# KiCad board V1.1.kicad_pcb (continued)
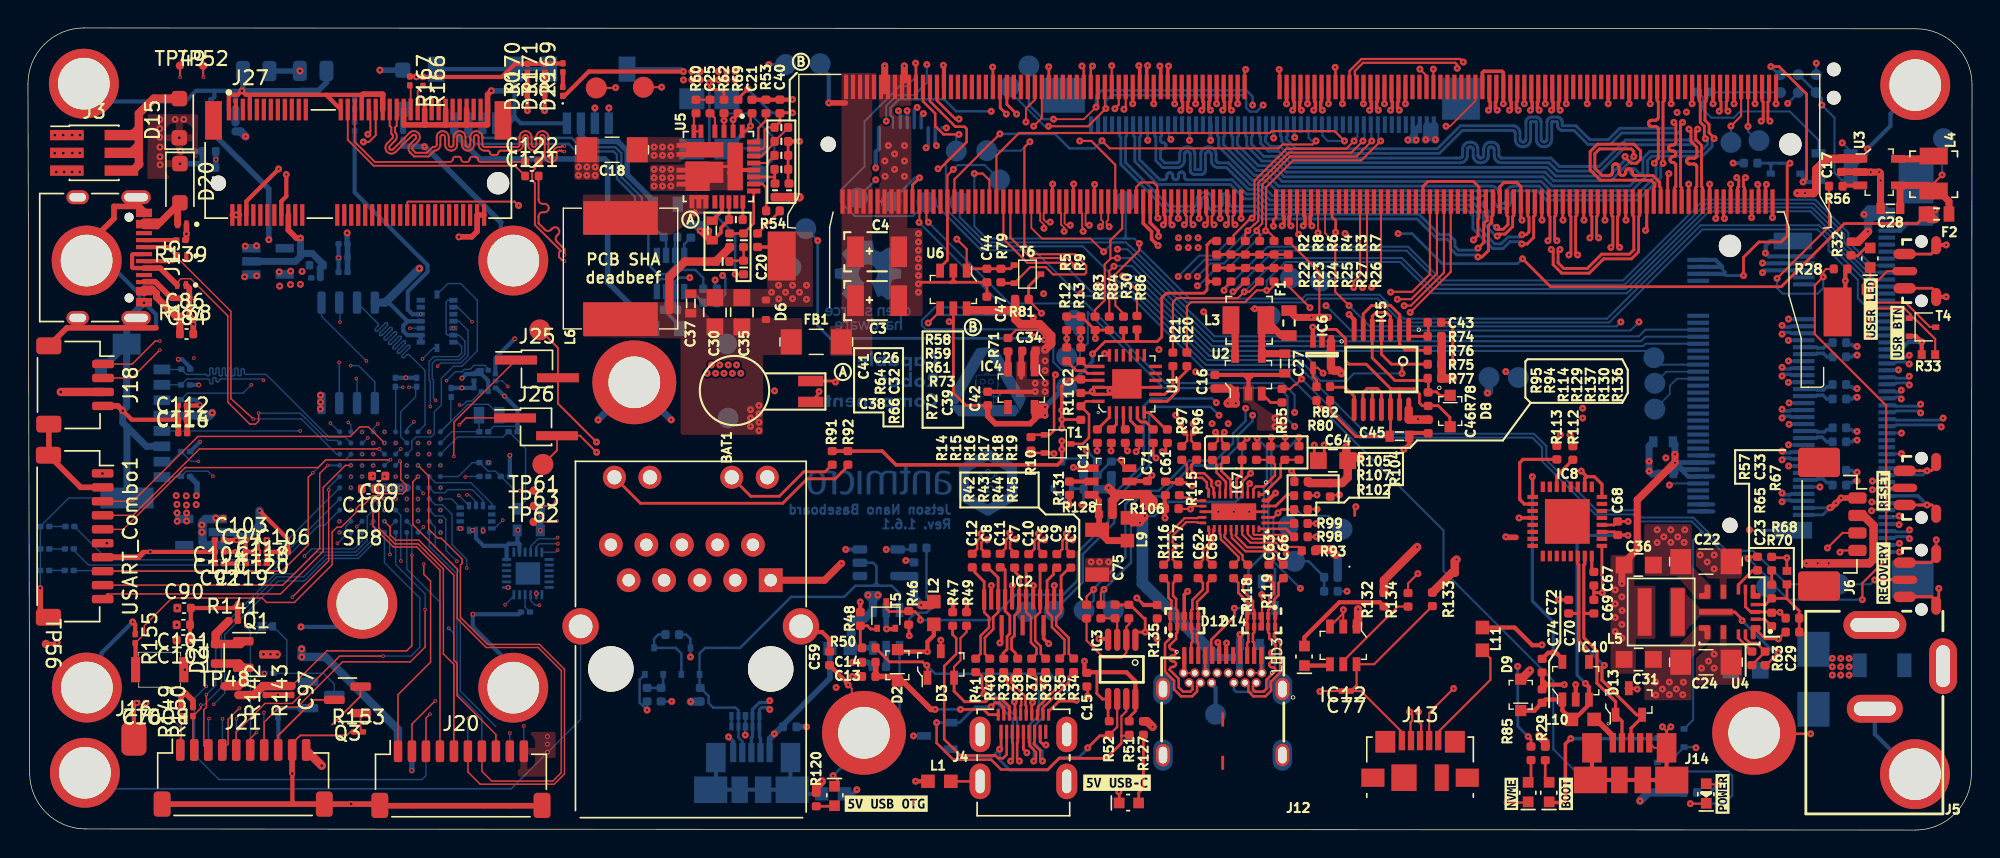
[diagram p0: board, top side]
## Routing (per net, layer and track width the routed paths; a pad name or vN(x,y) marks a point on that pad's centre or on a via; arc(x,y) is an arc through that point) (continued)
ENET_LED1: length 43.2
  Top w0.2: v1(76.27,46.21) 76.25,46.19 M1.188
  In5_3V3_SYS_SIGNAL.Cu w0.2: v1(76.27,46.21) 74.7,44.64 63.72,44.64 63.07,43.99 63.07,27.19 61.13,25.25 J10.11
ENET_TRD0_N: length 53.4
  Top w0.125: M1.184 77.25,43.67 77.12,43.55 77.12,43.37 v1(77.31,43.18)
  In5_3V3_SYS_SIGNAL.Cu w0.125: v1(77.31,43.18) 77.07,42.94 77.07,42.44 75.8,41.16 69.42,41.16 68.99,40.74 68.99,34.16 69,34.13 69.01,34.09 69.03,34.06 69.06,34.03 69.09,34.01 69.13,33.99 69.17,33.99 69.32,33.99 69.41,33.98 69.5,33.95 69.57,33.9 69.64,33.84 69.69,33.76 69.72,33.68 69.73,33.59 69.73,33.54 69.72,33.45 69.69,33.37 69.64,33.29 69.57,33.23 69.5,33.18 69.41,33.15 69.32,33.14 68.44,33.14 68.4,33.14 68.36,33.12 68.33,33.1 68.3,33.07 68.28,33.04 68.27,33 68.26,32.96 68.27,32.93 68.28,32.89 68.3,32.86 68.33,32.83 68.36,32.81 68.4,32.79 68.44,32.79 69.32,32.79 69.41,32.78 69.5,32.75 69.57,32.7 69.64,32.64 69.69,32.56 69.72,32.48 69.73,32.39 69.73,32.34 69.72,32.25 69.69,32.17 69.64,32.09 69.57,32.03 69.5,31.98 69.41,31.95 69.32,31.94 68.44,31.94 68.4,31.94 68.36,31.92 68.33,31.9 68.3,31.87 68.28,31.84 68.27,31.8 68.26,31.76 68.27,31.73 68.28,31.69 68.3,31.66 68.33,31.63 68.36,31.61 68.4,31.59 68.44,31.59 69.32,31.59 69.41,31.58 69.5,31.55 69.57,31.5 69.64,31.44 69.69,31.36 69.72,31.28 69.73,31.19 69.73,31.14 69.72,31.05 69.69,30.97 69.64,30.89 69.57,30.83 69.5,30.78 69.41,30.75 69.32,30.74 69.17,30.74 69.13,30.74 69.09,30.72 69.06,30.7 69.03,30.67 69.01,30.64 69,30.6 68.99,30.56 68.99,26.84 68.49,26.34 63.25,21.09 54.07,21.09 50.86,17.88 J10.3
ENET_TRD0_P: length 53.4
  Top w0.125: M1.186 76.75,43.67 76.87,43.55 76.87,43.37 v1(76.68,43.18)
  In5_3V3_SYS_SIGNAL.Cu w0.125: v1(76.68,43.18) 76.82,43.05 76.82,42.54 75.7,41.42 69.32,41.42 68.74,40.84 68.74,34.14 68.76,34.05 68.78,33.97 68.83,33.89 68.9,33.83 68.97,33.78 69.06,33.75 69.15,33.74 69.3,33.74 69.34,33.74 69.38,33.72 69.41,33.7 69.44,33.67 69.46,33.64 69.47,33.6 69.48,33.56 69.47,33.53 69.46,33.49 69.44,33.46 69.41,33.43 69.38,33.41 69.34,33.39 69.3,33.39 68.42,33.39 68.33,33.38 68.24,33.35 68.17,33.3 68.1,33.24 68.05,33.16 68.02,33.08 68.01,32.99 68.01,32.94 68.02,32.85 68.05,32.77 68.1,32.69 68.17,32.63 68.24,32.58 68.33,32.55 68.42,32.54 69.3,32.54 69.34,32.54 69.38,32.52 69.41,32.5 69.44,32.47 69.46,32.44 69.47,32.4 69.48,32.36 69.47,32.33 69.46,32.29 69.44,32.26 69.41,32.23 69.38,32.21 69.34,32.19 69.3,32.19 68.42,32.19 68.33,32.18 68.24,32.15 68.17,32.1 68.1,32.04 68.05,31.96 68.02,31.88 68.01,31.79 68.01,31.74 68.02,31.65 68.05,31.57 68.1,31.49 68.17,31.43 68.24,31.38 68.33,31.35 68.42,31.34 69.3,31.34 69.34,31.34 69.38,31.32 69.41,31.3 69.44,31.27 69.46,31.24 69.47,31.2 69.48,31.16 69.47,31.13 69.46,31.09 69.44,31.06 69.41,31.03 69.38,31.01 69.34,30.99 69.3,30.99 69.15,30.99 69.06,30.98 68.97,30.95 68.9,30.9 68.83,30.84 68.78,30.76 68.76,30.68 68.74,30.59 68.74,26.94 68.24,26.44 64.64,22.84 64.62,22.82 64.6,22.81 64.57,22.8 64.54,22.8 64.51,22.81 64.49,22.82 64.47,22.84 64.25,23.05 64.23,23.07 64.2,23.08 64.18,23.09 64.15,23.09 64.12,23.08 64.1,23.07 64.07,23.05 64.06,23.03 64.04,23.01 64.04,22.98 64.04,22.95 64.04,22.92 64.06,22.9 64.07,22.88 64.29,22.66 64.31,22.64 64.32,22.62 64.32,22.59 64.32,22.56 64.32,22.53 64.31,22.51 64.29,22.49 64.27,22.47 64.24,22.46 64.21,22.45 64.19,22.45 64.16,22.46 64.13,22.47 64.11,22.49 63.9,22.7 63.88,22.72 63.85,22.73 63.82,22.74 63.79,22.74 63.77,22.73 63.74,22.72 63.72,22.7 63.7,22.68 63.69,22.65 63.68,22.63 63.68,22.6 63.69,22.57 63.7,22.55 63.72,22.52 63.94,22.31 63.95,22.29 63.96,22.26 63.97,22.23 63.97,22.21 63.96,22.18 63.95,22.15 63.94,22.13 63.91,22.11 63.89,22.1 63.86,22.1 63.83,22.1 63.81,22.1 63.78,22.11 63.76,22.13 63.54,22.35 63.52,22.36 63.5,22.38 63.47,22.38 63.44,22.38 63.41,22.38 63.39,22.36 63.37,22.35 63.35,22.33 63.34,22.3 63.33,22.27 63.33,22.24 63.34,22.22 63.35,22.19 63.37,22.17 63.58,21.96 63.6,21.93 63.61,21.91 63.62,21.88 63.62,21.85 63.61,21.83 63.6,21.8 63.58,21.78 63.14,21.34 52.76,21.34 J10.2
ENET_TRD1_N: length 53.4
  Top w0.125: 75.63,43.29 v1(75.89,43.29) ; 75.62,43.3 75.62,44.13 75.75,44.26 M1.190
  In5_3V3_SYS_SIGNAL.Cu w0.125: v1(75.89,43.29) 75.54,43.29 75.53,43.29 75.24,43.29 75.01,43.06 75.01,42.77 74.31,42.06 68.14,42.06 67.39,41.31 67.39,37.69 67.4,37.62 67.43,37.54 67.47,37.48 67.53,37.42 67.59,37.38 67.66,37.36 67.74,37.35 67.89,37.35 67.91,37.35 67.94,37.34 67.96,37.32 67.98,37.3 67.99,37.28 68,37.26 68,37.23 68,37.21 68,37.19 67.99,37.16 67.98,37.14 67.96,37.12 67.94,37.11 67.91,37.1 67.89,37.1 67.74,37.1 67.66,37.09 67.59,37.06 67.53,37.02 67.47,36.97 67.43,36.9 67.4,36.83 67.39,36.75 67.39,36.69 67.4,36.62 67.43,36.54 67.47,36.48 67.53,36.42 67.59,36.38 67.66,36.36 67.74,36.35 67.89,36.35 67.91,36.35 67.94,36.34 67.96,36.32 67.98,36.3 67.99,36.28 68,36.26 68,36.23 68,36.21 68,36.19 67.99,36.16 67.98,36.14 67.96,36.12 67.94,36.11 67.91,36.1 67.89,36.1 67.74,36.1 67.66,36.09 67.59,36.06 67.53,36.02 67.47,35.97 67.43,35.9 67.4,35.83 67.39,35.75 67.39,35.69 67.4,35.62 67.43,35.54 67.47,35.48 67.53,35.42 67.59,35.38 67.66,35.36 67.74,35.35 67.89,35.35 67.91,35.35 67.94,35.34 67.96,35.32 67.98,35.3 67.99,35.28 68,35.26 68,35.23 68,35.21 68,35.19 67.99,35.16 67.98,35.14 67.96,35.12 67.94,35.11 67.91,35.1 67.89,35.1 67.74,35.1 67.66,35.09 67.59,35.06 67.53,35.02 67.47,34.97 67.43,34.9 67.4,34.83 67.39,34.75 67.39,27.39 62.12,22.11 48.39,22.11 48.03,21.75 J10.5
ENET_TRD1_P: length 53.4
  Top w0.125: M1.192 75.25,44.26 75.37,44.13 75.37,43.19 75.45,43.12 v1(75.45,42.85)
  In5_3V3_SYS_SIGNAL.Cu w0.125: v1(75.45,42.85) 74.41,41.81 68.29,41.81 67.64,41.16 67.64,37.71 67.65,37.69 67.66,37.66 67.67,37.64 67.69,37.62 67.71,37.61 67.74,37.6 67.76,37.6 67.91,37.6 67.98,37.59 68.06,37.56 68.12,37.52 68.18,37.47 68.22,37.4 68.24,37.33 68.25,37.25 68.25,37.19 68.24,37.12 68.22,37.04 68.18,36.98 68.12,36.92 68.06,36.88 67.98,36.86 67.91,36.85 67.76,36.85 67.74,36.85 67.71,36.84 67.69,36.82 67.67,36.8 67.66,36.78 67.65,36.76 67.64,36.73 67.64,36.71 67.65,36.69 67.66,36.66 67.67,36.64 67.69,36.62 67.71,36.61 67.74,36.6 67.76,36.6 67.91,36.6 67.98,36.59 68.06,36.56 68.12,36.52 68.18,36.47 68.22,36.4 68.24,36.33 68.25,36.25 68.25,36.19 68.24,36.12 68.22,36.04 68.18,35.98 68.12,35.92 68.06,35.88 67.98,35.86 67.91,35.85 67.76,35.85 67.74,35.85 67.71,35.84 67.69,35.82 67.67,35.8 67.66,35.78 67.65,35.76 67.64,35.73 67.64,35.71 67.65,35.69 67.66,35.66 67.67,35.64 67.69,35.62 67.71,35.61 67.74,35.6 67.76,35.6 67.91,35.6 67.98,35.59 68.06,35.56 68.12,35.52 68.18,35.47 68.22,35.4 68.24,35.33 68.25,35.25 68.25,35.19 68.24,35.12 68.22,35.04 68.18,34.98 68.12,34.92 68.06,34.88 67.98,34.86 67.91,34.85 67.76,34.85 67.74,34.85 67.71,34.84 67.69,34.82 67.67,34.8 67.66,34.78 67.65,34.76 67.64,34.73 67.64,27.29 65.8,25.44 65.78,25.42 65.77,25.39 65.76,25.37 65.76,25.34 65.77,25.31 65.78,25.29 65.82,25.24 65.83,25.22 65.83,25.19 65.83,25.16 65.83,25.13 65.82,25.11 65.8,25.09 65.78,25.07 65.75,25.06 65.72,25.05 65.7,25.05 65.67,25.06 65.64,25.07 65.6,25.1 65.57,25.12 65.55,25.12 65.52,25.12 65.49,25.12 65.47,25.1 65.44,25.09 65.43,25.07 65.41,25.04 65.41,25.01 65.41,24.98 65.41,24.96 65.43,24.93 65.46,24.89 65.47,24.86 65.48,24.84 65.48,24.81 65.47,24.78 65.46,24.76 65.44,24.73 65.42,24.72 65.4,24.7 65.37,24.7 65.34,24.7 65.31,24.7 65.29,24.72 65.25,24.75 65.22,24.76 65.19,24.77 65.16,24.77 65.14,24.76 65.11,24.75 65.09,24.73 65.07,24.71 65.06,24.69 65.05,24.66 65.05,24.63 65.06,24.6 65.07,24.58 65.11,24.54 65.12,24.51 65.13,24.48 65.13,24.45 65.12,24.43 65.11,24.4 65.09,24.38 65.07,24.36 65.04,24.35 65.02,24.34 64.99,24.34 64.96,24.35 64.94,24.36 64.89,24.4 64.87,24.41 64.84,24.42 64.81,24.42 64.78,24.41 64.76,24.4 64.74,24.38 64.72,24.36 64.71,24.33 64.7,24.31 64.7,24.28 64.71,24.25 64.72,24.23 64.75,24.18 64.77,24.16 64.77,24.13 64.77,24.1 64.77,24.07 64.75,24.05 64.74,24.03 64.72,24.01 64.69,24 64.66,23.99 64.63,23.99 64.61,24 64.58,24.01 64.54,24.04 64.51,24.06 64.49,24.06 64.46,24.06 64.43,24.06 64.41,24.04 64.38,24.03 62.22,21.86 51.07,21.86 51.04,21.86 51.02,21.85 50.99,21.84 50.97,21.82 50.96,21.79 50.95,21.77 50.94,21.74 50.94,21.56 50.94,21.54 50.93,21.51 50.92,21.49 50.9,21.47 50.87,21.45 50.85,21.44 50.82,21.44 50.79,21.44 50.77,21.45 50.74,21.47 50.72,21.49 50.71,21.51 50.7,21.54 50.69,21.56 50.69,21.74 50.69,21.77 50.68,21.79 50.67,21.82 50.65,21.84 50.62,21.85 50.6,21.86 50.57,21.86 50.54,21.86 50.52,21.85 50.49,21.84 50.47,21.82 50.46,21.79 50.45,21.77 50.44,21.74 50.44,21.56 50.44,21.54 50.43,21.51 50.42,21.49 50.4,21.47 50.37,21.45 50.35,21.44 50.32,21.44 50.29,21.44 50.27,21.45 50.24,21.47 50.22,21.49 50.21,21.51 50.2,21.54 50.19,21.56 50.19,21.74 50.19,21.77 50.18,21.79 50.17,21.82 50.15,21.84 50.12,21.85 50.1,21.86 50.07,21.86 50.04,21.86 50.02,21.85 49.99,21.84 49.97,21.82 49.96,21.79 49.95,21.77 49.94,21.74 49.94,21.56 49.94,21.54 49.93,21.51 49.92,21.49 49.9,21.47 49.87,21.45 49.85,21.44 49.82,21.44 49.79,21.44 49.77,21.45 49.74,21.47 49.72,21.49 49.71,21.51 49.7,21.54 49.69,21.56 49.69,21.74 49.69,21.77 49.68,21.79 49.67,21.82 49.65,21.84 49.62,21.85 49.6,21.86 49.57,21.86 48.5,21.86 48.28,21.65 48.28,21.44 J10.4
ENET_TRD2_N: length 53.4
  Top w0.125: M1.196 74.25,44.26 74.12,44.13 74.12,43.44 74.27,43.29 v1(74.53,43.29)
  In5_3V3_SYS_SIGNAL.Cu w0.125: J10.8 46.62,22.82 61.12,22.82 62.28,23.98 62.3,24 62.31,24.03 62.32,24.05 62.32,24.08 62.31,24.11 62.3,24.13 62.28,24.16 62.2,24.24 62.18,24.26 62.17,24.28 62.17,24.31 62.17,24.34 62.17,24.37 62.18,24.39 62.2,24.41 62.22,24.43 62.25,24.44 62.28,24.45 62.3,24.45 62.33,24.44 62.36,24.43 62.38,24.41 62.46,24.33 62.48,24.31 62.51,24.3 62.53,24.3 62.56,24.3 62.59,24.3 62.61,24.31 62.64,24.33 62.65,24.35 62.66,24.38 62.67,24.41 62.67,24.43 62.66,24.46 62.65,24.49 62.64,24.51 62.55,24.59 62.54,24.61 62.53,24.64 62.52,24.66 62.52,24.69 62.53,24.72 62.54,24.74 62.55,24.77 62.58,24.78 62.6,24.8 62.63,24.8 62.66,24.8 62.68,24.8 62.71,24.78 62.73,24.77 62.81,24.69 62.83,24.67 62.86,24.66 62.89,24.65 62.91,24.65 62.94,24.66 62.97,24.67 62.99,24.69 63.01,24.71 63.02,24.73 63.02,24.76 63.02,24.79 63.02,24.82 63.01,24.84 62.99,24.86 62.91,24.94 62.89,24.96 62.88,24.99 62.87,25.02 62.87,25.04 62.88,25.07 62.89,25.1 62.91,25.12 62.93,25.14 62.96,25.15 62.98,25.16 63.01,25.16 63.04,25.15 63.06,25.14 63.09,25.12 63.17,25.04 63.19,25.02 63.21,25.01 63.24,25 63.27,25 63.3,25.01 63.32,25.02 63.34,25.04 66.54,28.24 66.54,31.41 66.54,31.45 66.53,31.49 66.51,31.52 66.48,31.55 66.45,31.57 66.41,31.59 66.37,31.59 66.2,31.59 66.11,31.6 66.02,31.63 65.95,31.68 65.88,31.74 65.83,31.82 65.8,31.9 65.79,31.99 65.79,32.04 65.8,32.13 65.83,32.21 65.88,32.29 65.95,32.35 66.02,32.4 66.11,32.43 66.2,32.44 66.37,32.44 66.41,32.44 66.45,32.46 66.48,32.48 66.51,32.51 66.53,32.54 66.54,32.58 66.54,32.61 66.54,32.65 66.53,32.69 66.51,32.72 66.48,32.75 66.45,32.77 66.41,32.79 66.37,32.79 66.2,32.79 66.11,32.8 66.02,32.83 65.95,32.88 65.88,32.94 65.83,33.02 65.8,33.1 65.79,33.19 65.79,33.24 65.8,33.33 65.83,33.41 65.88,33.49 65.95,33.55 66.02,33.6 66.11,33.63 66.2,33.64 66.37,33.64 66.41,33.64 66.45,33.66 66.48,33.68 66.51,33.71 66.53,33.74 66.54,33.78 66.54,33.81 66.54,41.62 67.54,42.62 73.5,42.62 73.65,42.77 73.65,43.06 73.88,43.29 74.17,43.29 74.18,43.29 v1(74.53,43.29)
ENET_TRD2_P: length 53.4
  Top w0.125: v1(74.09,42.85) 74.09,43.12 73.87,43.33 73.87,44.13 73.75,44.26 M1.198
  In5_3V3_SYS_SIGNAL.Cu w0.125: J10.7 45.49,21.34 46.72,22.56 46.84,22.56 46.87,22.56 46.9,22.55 46.92,22.54 46.94,22.52 46.96,22.49 46.97,22.47 46.97,22.44 46.97,22.42 46.97,22.4 46.98,22.37 47,22.35 47.02,22.33 47.04,22.31 47.07,22.3 47.09,22.3 47.12,22.3 47.15,22.31 47.17,22.33 47.19,22.35 47.21,22.37 47.22,22.4 47.22,22.42 47.22,22.44 47.22,22.47 47.23,22.49 47.25,22.52 47.27,22.54 47.29,22.55 47.32,22.56 47.34,22.56 61.22,22.56 66.79,28.14 66.79,31.44 66.78,31.53 66.76,31.61 66.71,31.69 66.64,31.75 66.57,31.8 66.48,31.83 66.39,31.84 66.22,31.84 66.18,31.84 66.14,31.86 66.11,31.88 66.08,31.91 66.06,31.94 66.05,31.98 66.04,32.01 66.05,32.05 66.06,32.09 66.08,32.12 66.11,32.15 66.14,32.17 66.18,32.19 66.22,32.19 66.39,32.19 66.48,32.2 66.57,32.23 66.64,32.28 66.71,32.34 66.76,32.42 66.78,32.5 66.79,32.59 66.79,32.64 66.78,32.73 66.76,32.81 66.71,32.89 66.64,32.95 66.57,33 66.48,33.03 66.39,33.04 66.22,33.04 66.18,33.04 66.14,33.06 66.11,33.08 66.08,33.11 66.06,33.14 66.05,33.18 66.04,33.21 66.05,33.25 66.06,33.29 66.08,33.32 66.11,33.35 66.14,33.37 66.18,33.39 66.22,33.39 66.39,33.39 66.48,33.4 66.57,33.43 66.64,33.48 66.71,33.54 66.76,33.62 66.78,33.7 66.79,33.79 66.79,41.51 67.64,42.36 73.6,42.36 v1(74.09,42.85)
ENET_TRD3_N: length 53.4
  Top w0.125: M1.202 72.75,44.26 72.62,44.13 72.62,43.71 72.83,43.51 v1(73.09,43.51)
  In5_3V3_SYS_SIGNAL.Cu w0.125: J10.10 44.88,23.61 60.52,23.61 62.1,25.19 62.11,25.21 62.13,25.24 62.13,25.27 62.13,25.3 62.13,25.32 62.11,25.35 62.1,25.37 62,25.47 61.98,25.49 61.97,25.51 61.96,25.54 61.96,25.57 61.97,25.6 61.98,25.62 62,25.64 62.02,25.66 62.05,25.67 62.07,25.68 62.1,25.68 62.13,25.67 62.15,25.66 62.18,25.64 62.27,25.55 62.29,25.53 62.32,25.52 62.35,25.51 62.38,25.51 62.4,25.52 62.43,25.53 62.45,25.55 62.47,25.57 62.48,25.59 62.49,25.62 62.49,25.65 62.48,25.68 62.47,25.7 62.45,25.72 62.35,25.82 62.33,25.84 62.32,25.87 62.32,25.89 62.32,25.92 62.32,25.95 62.33,25.98 62.35,26 62.37,26.01 62.4,26.03 62.43,26.03 62.45,26.03 62.48,26.03 62.51,26.01 62.53,26 62.63,25.9 62.65,25.88 62.67,25.87 62.7,25.86 62.73,25.86 62.76,25.87 62.78,25.88 62.8,25.9 62.82,25.92 62.83,25.95 62.84,25.97 62.84,26 62.83,26.03 62.82,26.05 62.8,26.08 62.71,26.17 62.69,26.2 62.68,26.22 62.67,26.25 62.67,26.28 62.68,26.3 62.69,26.33 62.71,26.35 62.73,26.37 62.75,26.38 62.78,26.39 62.81,26.39 62.84,26.38 62.86,26.37 62.88,26.35 62.98,26.25 63,26.24 63.03,26.22 63.05,26.22 63.08,26.22 63.11,26.22 63.13,26.24 63.16,26.25 65.04,28.14 65.04,43.14 65.52,43.61 72.72,43.61 72.83,43.51 v1(73.09,43.51)
ENET_TRD3_P: length 53.4
  Top w0.125: v1(72.65,43.07) 72.65,43.33 72.37,43.61 72.37,44.13 72.25,44.26 M1.204
  In5_3V3_SYS_SIGNAL.Cu w0.125: v1(72.65,43.07) 72.65,43.33 72.62,43.36 65.62,43.36 65.29,43.04 65.29,28.04 60.62,23.36 44.98,23.36 42.95,21.34 J10.9
FAN_PWM: length 11.5
  Top w0.15: v1(66.17,47.29) 65.75,46.87 M1.230
  Top w0.2: M1.230 65.75,40.79 65.22,40.26 U6.3
  Bottom w0.15: TP8.1 68.42,47.59 66.47,47.59 v1(66.17,47.29)
FAN_TACH: length 23.3
  Top w0.15: v1(71.64,49.26) 71.25,48.87 M1.208 71.25,41.94 71.97,41.21 74.84,41.21 75.67,40.39 75.67,39.89 75.55,39.77 73.29,39.77 72.78,40.29 71.67,40.29 T6.2
  Top w0.2: R79.2 69.63,39.14 T6.2
  Bottom w0.15: v1(71.64,49.26) 71.01,48.63 TP9.1
GEN0_SCL: length 126.7
  Top w0.125: M1.185 77,51.71 v1(77.07,51.64)
  Top w0.15: v1(72.97,50.37) 72.97,50.37 75.8,50.37 v1(77.07,51.64)
  Top w0.18: R98.1 v1(92.12,20.99)
  In2.Cu w0.125: v1(92.12,20.99) 92.16,20.99 94.47,23.3 94.47,24.65 93.62,25.5 93.62,29.84 93.37,30.09 93.37,33.14 92.92,33.59 90.02,33.59 89.87,33.74 89.87,39.04 93.07,42.24 93.07,43.39 88.07,48.39 88.07,51.64 v1(88.32,51.89)
  In2.Cu w0.15: v1(129.73,49.18) 128.66,49.18 v1(125.83,52.01) 125.15,52.69 118.77,52.69 118.47,52.39 118.47,51.51 v1(118.59,51.39)
  In3_SIGNAL.Cu w0.15: v1(77.07,51.64) 76.67,51.24 75.97,51.24 75.82,51.39 75.82,52.54 77.27,53.99 117.19,53.99 118.55,52.64 118.55,51.44 v1(118.59,51.39)
  Bottom w0.15: IC1.1 130.33,48.58 v1(129.73,49.18) ; v1(72.97,50.37) 72.7,50.37 70.17,52.9 TP14.1
  Bottom w0.18: v1(77.07,51.64) 77.07,52.19 77.47,52.59 86.87,52.59 87.1,52.35 87.1,51.7 87.38,51.42 87.85,51.42 v1(88.32,51.89) ; v1(125.83,52.01) 126.58,52.76 TP1.4
GEN0_SDA: length 128
  Top w0.125: M1.187 76.5,51.87 v1(76.37,51.74) 75.51,50.88 v1(73.34,50.88)
  Top w0.18: R99.1 v1(92.12,21.94)
  In2.Cu w0.125: v1(87.57,51.89) 87.82,51.64 87.82,48.29 92.82,43.29 92.82,42.34 89.57,39.09 89.57,33.54 89.82,33.29 92.77,33.29 93.07,32.99 93.07,30.04 93.32,29.79 93.32,25.45 94.22,24.55 94.22,23.41 92.75,21.94 v1(92.12,21.94)
  In2.Cu w0.15: v1(117.92,51.36) 118.07,51.51 118.07,52.59 118.67,53.19 126.97,53.19 v1(128.27,51.89)
  In3_SIGNAL.Cu w0.15: v1(76.37,51.74) 76.37,52.49 77.47,53.59 117.07,53.59 117.95,52.71 117.95,51.39 v1(117.92,51.36)
  Bottom w0.15: IC1.3 129.68,46.53 129.18,47.03 129.18,50.98 v1(128.27,51.89) 128.27,52.39 TP1.6
  Bottom w0.18: TP1.6 126.59,54.07 TP1.3 ; TP15.1 71.57,51.91 72.6,50.88 v1(73.34,50.88) ; v1(76.37,51.74) 76.37,52.54 76.77,52.94 87.12,52.94 87.57,52.49 v1(87.57,51.89)
HDMI_PWR: length 31.2
  Top w0.2: 79.18,9.37 79.18,8.51 78.74,8.07 78.74,7.71 ; 77.32,7.71 77.23,7.8 IC3.5 76.83,9.37 76.43,9.77 76.43,11.3
  Top w0.25: v1(69.5,13.39) 69.62,13.51 IC2.13 ; IC2.15 72.62,13.71 v1(72.99,13.34)
  Top w0.3: 79.18,9.37 79.18,10.65 78.54,11.3 75.62,11.3 75.57,11.24 75.54,11.27 v1(75.54,12.08) ; L2.2 64.77,13.94 64.32,13.48 v1(64.32,12.77) 62.32,12.77 D2.A
  In2.Cu w0.3: v1(75.54,12.08) 74.27,13.35 67.66,13.35 67.08,12.77 v1(64.32,12.77)
HDMI_SHIELD: length 6.8
  Top w0.18: J4.SH 65.99,3.48 L1.2
  Top w0.2: v1(71.43,5.53) 71.18,5.78 J4.10 ; J4.7 71.78,9.08 v1(71.83,9.13) ; J4.13 70.58,9.13 v1(70.53,9.18) ; v1(72.79,6.09) 72.62,6.09 72.38,6.33 J4.4
I2C1_SCL: length 39
  Top w0.18: v1(76.12,54.68) 76,54.56 M1.189
  In3_SIGNAL.Cu w0.15: v1(41.54,51.69) 41.66,51.81 53.09,51.81 54.17,52.89 75.17,52.89 76.12,53.84 v1(76.12,54.68)
  Bottom w0.18: v1(41.54,51.69) J9.4
I2C1_SDA: length 39.3
  Top w0.18: M1.191 75.5,54.56 v1(75.37,54.68)
  In3_SIGNAL.Cu w0.15: v1(75.37,54.68) 75.37,53.69 74.97,53.29 53.97,53.29 52.97,52.29 41.14,52.29 v1(40.54,51.69)
  Bottom w0.18: v1(40.54,51.69) J9.3
I2C_MUX_RESET: length 53.4
  Top w0.18: R10.2 71.88,28.29 T1.1 73.07,28.29 73.37,28.59 73.37,32.49 v1(73.47,32.59) ; M1.127 93.5,54.56 v1(93.47,54.59)
  In2.Cu w0.125: v1(73.47,32.59) 76.97,32.59 77.57,33.19 77.57,35.29 73.57,39.29 73.57,44.42 73.97,44.82 73.97,52.99 74.47,53.49 86.47,53.49 86.87,53.89 92.77,53.89 v1(93.47,54.59)
M2_ALERT: length 58.8
  Top w0.15: M1.212 70.25,42.41 71.72,40.94 74.32,40.94 v1(74.87,40.39) ; R86.1 79.3,38.62 v1(78.27,39.65)
  In2.Cu w0.15: v1(74.87,40.39) 75.61,39.65 v1(78.27,39.65)
  Bottom w0.15: J7.44 116.83,33.31 115.85,34.29 84.57,34.29 79.21,39.65 v1(78.27,39.65)
OTG_USB_D_N: length 86.4
  Top w0.25: v1(98.06,51.52) 97.93,51.65 97.93,52.11 98,52.17 98,53.18
  In3_SIGNAL.Cu w0.16: v1(98.06,51.52) 98.06,51.17 97.89,51 97.89,49.13 97.27,48.51 71.5,48.51 67.8,44.81 67.8,36.52 65.7,34.42 65.7,19.72 64.2,18.22 58.7,18.22 57.91,17.43 57.91,11.98 54.74,8.81 53.21,8.81 v1(53.04,8.64)
  Bottom w0.23: J11.2 52.38,6.58 52.3,6.66 52.3,8.62 52.45,8.77 52.9,8.77 v1(53.04,8.64)
OTG_USB_D_P: length 86.6
  Top w0.25: v1(97.43,51.52) 97.56,51.65 97.56,52.11 97.5,52.17 97.5,53.18
  In3_SIGNAL.Cu w0.16: v1(97.43,51.52) 97.43,51.17 97.59,51.01 97.59,49.23 97.16,48.79 71.38,48.79 67.52,44.93 67.52,36.64 65.41,34.53 65.41,19.83 64.08,18.5 58.58,18.5 57.63,17.55 57.63,12.1 54.62,9.09 53.21,9.09 v1(53.04,9.26)
  Bottom w0.23: v1(53.04,9.26) 52.9,9.13 52.3,9.13 51.8,8.63 51.8,6.66 51.73,6.58 J11.3
PCIE0_CLK_N: length 66
  Top w0.18: v1(83.31,43.33) 83.15,43.49 83.15,43.92 83.25,44.02 M1.160
  In3_SIGNAL.Cu w0.185: v1(83.31,43.33) 83.15,43.48 83.15,43.92 83.87,44.64 97.43,44.64 102.32,39.76 108.06,39.76 108.15,39.77 108.24,39.8 108.32,39.84 108.38,39.91 108.43,39.99 108.46,40.07 108.47,40.16 108.47,40.35 108.47,40.37 108.48,40.4 108.5,40.42 108.51,40.44 108.54,40.45 108.56,40.46 108.59,40.46 108.72,40.46 108.75,40.46 108.77,40.45 108.8,40.44 108.81,40.42 108.83,40.4 108.84,40.37 108.84,40.35 108.84,39.46 108.85,39.36 108.88,39.28 108.93,39.2 108.99,39.14 109.07,39.09 109.16,39.06 109.25,39.05 109.43,39.05 109.52,39.06 109.61,39.09 109.69,39.14 109.75,39.2 109.8,39.28 109.83,39.36 109.84,39.46 109.84,40.3 109.84,40.31 109.85,40.33 109.86,40.34 109.87,40.35 109.88,40.36 109.89,40.36 109.91,40.36 110.14,40.36 110.16,40.36 110.17,40.36 110.19,40.35 110.2,40.34 110.2,40.33 110.21,40.31 110.21,40.3 110.21,39.46 110.22,39.36 110.25,39.28 110.3,39.2 110.36,39.14 110.44,39.09 110.53,39.06 110.62,39.05 110.8,39.05 110.89,39.06 110.98,39.09 111.06,39.14 111.12,39.2 111.17,39.28 111.2,39.36 111.21,39.46 111.21,40.35 111.21,40.37 111.22,40.4 111.24,40.42 111.26,40.44 111.28,40.45 111.3,40.46 111.33,40.46 111.46,40.46 111.49,40.46 111.52,40.45 111.54,40.44 111.56,40.42 111.57,40.4 111.58,40.37 111.58,40.35 111.58,39.46 111.59,39.36 111.62,39.28 111.67,39.2 111.74,39.14 111.81,39.09 111.9,39.06 111.99,39.05 112.18,39.05 112.27,39.06 112.35,39.09 112.43,39.14 112.49,39.2 112.54,39.28 112.57,39.36 112.58,39.46 112.58,40.35 112.59,40.37 112.59,40.4 112.61,40.42 112.63,40.44 112.65,40.45 112.67,40.46 112.7,40.46 112.84,40.46 112.86,40.46 112.89,40.45 112.91,40.44 112.93,40.42 112.94,40.4 112.95,40.37 112.95,40.35 112.95,39.46 112.96,39.36 112.99,39.28 113.04,39.2 113.11,39.14 113.18,39.09 113.27,39.06 113.36,39.05 113.55,39.05 113.64,39.06 113.72,39.09 113.8,39.14 113.87,39.2 113.91,39.28 113.94,39.36 113.95,39.46 113.95,40.35 113.96,40.37 113.97,40.4 113.98,40.42 114,40.44 114.02,40.45 114.05,40.46 114.07,40.46 114.21,40.46 114.23,40.46 114.26,40.45 114.28,40.44 114.3,40.42 114.31,40.4 114.32,40.37 114.32,40.35 114.32,39.46 114.33,39.36 114.36,39.28 114.41,39.2 114.48,39.14 114.55,39.09 114.64,39.06 114.73,39.05 114.92,39.05 115.01,39.06 115.09,39.09 115.17,39.14 115.24,39.2 115.28,39.28 115.31,39.36 115.33,39.46 115.33,40.35 115.33,40.37 115.34,40.4 115.35,40.42 115.37,40.44 115.39,40.45 115.42,40.46 115.44,40.46 115.58,40.46 115.6,40.46 115.63,40.45 115.65,40.44 115.67,40.42 115.68,40.4 115.69,40.37 115.7,40.35 115.7,39.46 115.71,39.36 115.74,39.28 115.78,39.2 115.85,39.14 115.93,39.09 116.01,39.06 116.1,39.05 116.29,39.05 116.38,39.06 116.47,39.09 116.54,39.14 116.61,39.2 116.66,39.28 116.69,39.36 116.7,39.46 116.7,40.35 116.7,40.37 116.71,40.4 116.72,40.42 116.74,40.44 116.76,40.45 116.79,40.46 116.81,40.46 116.95,40.46 116.98,40.46 117,40.45 117.02,40.44 117.04,40.42 117.05,40.4 117.06,40.37 117.07,40.35 117.07,40.16 117.08,40.07 117.11,39.99 117.16,39.91 117.22,39.84 117.3,39.8 117.38,39.77 117.47,39.76 119.16,39.76 123.26,35.65 124.14,35.65 124.18,35.65 124.22,35.64 124.25,35.61 124.28,35.58 124.3,35.55 124.32,35.51 124.32,35.47 124.32,35.42 124.33,35.38 124.34,35.34 124.36,35.31 124.39,35.28 124.43,35.26 124.46,35.24 124.51,35.24 124.55,35.24 124.59,35.26 124.62,35.28 124.65,35.31 124.67,35.34 124.69,35.38 124.69,35.42 124.69,35.47 124.7,35.51 124.71,35.55 124.73,35.58 124.76,35.61 124.8,35.64 124.83,35.65 124.88,35.65 125.27,35.65 v1(125.43,35.5)
  Bottom w0.25: v1(125.43,35.5) 125.55,35.62 126,35.62 126.06,35.56 J7.53
PCIE0_CLK_P: length 66
  Top w0.18: v1(82.68,43.33) 82.84,43.49 82.84,43.92 82.75,44.02 M1.162
  In3_SIGNAL.Cu w0.185: v1(125.43,36.12) 125.27,35.96 123.39,35.96 119.29,40.07 117.5,40.07 117.47,40.07 117.45,40.08 117.43,40.1 117.41,40.12 117.39,40.14 117.38,40.16 117.38,40.19 117.38,40.37 117.37,40.46 117.34,40.55 117.29,40.63 117.23,40.69 117.15,40.74 117.06,40.77 116.97,40.78 116.79,40.78 116.7,40.77 116.61,40.74 116.53,40.69 116.47,40.63 116.42,40.55 116.39,40.46 116.38,40.37 116.38,39.48 116.38,39.45 116.37,39.43 116.36,39.41 116.34,39.39 116.31,39.37 116.29,39.37 116.26,39.36 116.13,39.36 116.1,39.37 116.08,39.37 116.05,39.39 116.04,39.41 116.02,39.43 116.01,39.45 116.01,39.48 116.01,40.37 116,40.46 115.97,40.55 115.92,40.63 115.86,40.69 115.78,40.74 115.69,40.77 115.6,40.78 115.42,40.78 115.33,40.77 115.24,40.74 115.16,40.69 115.1,40.63 115.05,40.55 115.02,40.46 115.01,40.37 115.01,39.48 115.01,39.45 115,39.43 114.98,39.41 114.97,39.39 114.94,39.37 114.92,39.37 114.89,39.36 114.76,39.36 114.73,39.37 114.71,39.37 114.68,39.39 114.67,39.41 114.65,39.43 114.64,39.45 114.64,39.48 114.64,40.37 114.63,40.46 114.6,40.55 114.55,40.63 114.49,40.69 114.41,40.74 114.32,40.77 114.23,40.78 114.05,40.78 113.96,40.77 113.87,40.74 113.79,40.69 113.73,40.63 113.68,40.55 113.65,40.46 113.64,40.37 113.64,39.48 113.64,39.45 113.63,39.43 113.61,39.41 113.59,39.39 113.57,39.37 113.55,39.37 113.52,39.36 113.39,39.36 113.36,39.37 113.33,39.37 113.31,39.39 113.29,39.41 113.28,39.43 113.27,39.45 113.27,39.48 113.27,40.37 113.26,40.46 113.23,40.55 113.18,40.63 113.11,40.69 113.04,40.74 112.95,40.77 112.86,40.78 112.68,40.78 112.58,40.77 112.5,40.74 112.42,40.69 112.36,40.63 112.31,40.55 112.28,40.46 112.27,40.37 112.27,39.48 112.26,39.45 112.26,39.43 112.24,39.41 112.22,39.39 112.2,39.37 112.18,39.37 112.15,39.36 112.01,39.36 111.99,39.37 111.96,39.37 111.94,39.39 111.92,39.41 111.91,39.43 111.9,39.45 111.9,39.48 111.9,40.37 111.89,40.46 111.86,40.55 111.81,40.63 111.74,40.69 111.67,40.74 111.58,40.77 111.49,40.78 111.3,40.78 111.21,40.77 111.13,40.74 111.05,40.69 110.99,40.63 110.94,40.55 110.91,40.46 110.9,40.37 110.9,39.48 110.89,39.45 110.88,39.43 110.87,39.41 110.85,39.39 110.83,39.37 110.81,39.37 110.78,39.36 110.64,39.36 110.62,39.37 110.59,39.37 110.57,39.39 110.55,39.41 110.54,39.43 110.53,39.45 110.53,39.48 110.53,40.32 110.52,40.4 110.49,40.47 110.45,40.54 110.39,40.6 110.32,40.64 110.25,40.67 110.17,40.68 109.89,40.68 109.81,40.67 109.73,40.64 109.66,40.6 109.6,40.54 109.56,40.47 109.53,40.4 109.53,40.32 109.53,39.48 109.52,39.45 109.51,39.43 109.5,39.41 109.48,39.39 109.46,39.37 109.43,39.37 109.41,39.36 109.27,39.36 109.25,39.37 109.22,39.37 109.2,39.39 109.18,39.41 109.17,39.43 109.16,39.45 109.16,39.48 109.16,40.37 109.15,40.46 109.11,40.55 109.07,40.63 109,40.69 108.92,40.74 108.84,40.77 108.75,40.78 108.56,40.78 108.47,40.77 108.38,40.74 108.31,40.69 108.24,40.63 108.19,40.55 108.16,40.46 108.15,40.37 108.15,40.19 108.15,40.16 108.14,40.14 108.13,40.12 108.11,40.1 108.09,40.08 108.06,40.07 108.04,40.07 102.44,40.07 97.56,44.95 83.67,44.95 82.84,44.12 82.84,43.48 v1(82.68,43.33)
  Bottom w0.25: v1(125.43,36.12) 125.55,36 126,36 126.06,36.06 J7.55
